# Allegro board PSOC_6A512K_CAPSENSE_VALIDATION_BOARD_Rev_2.brd (continued)
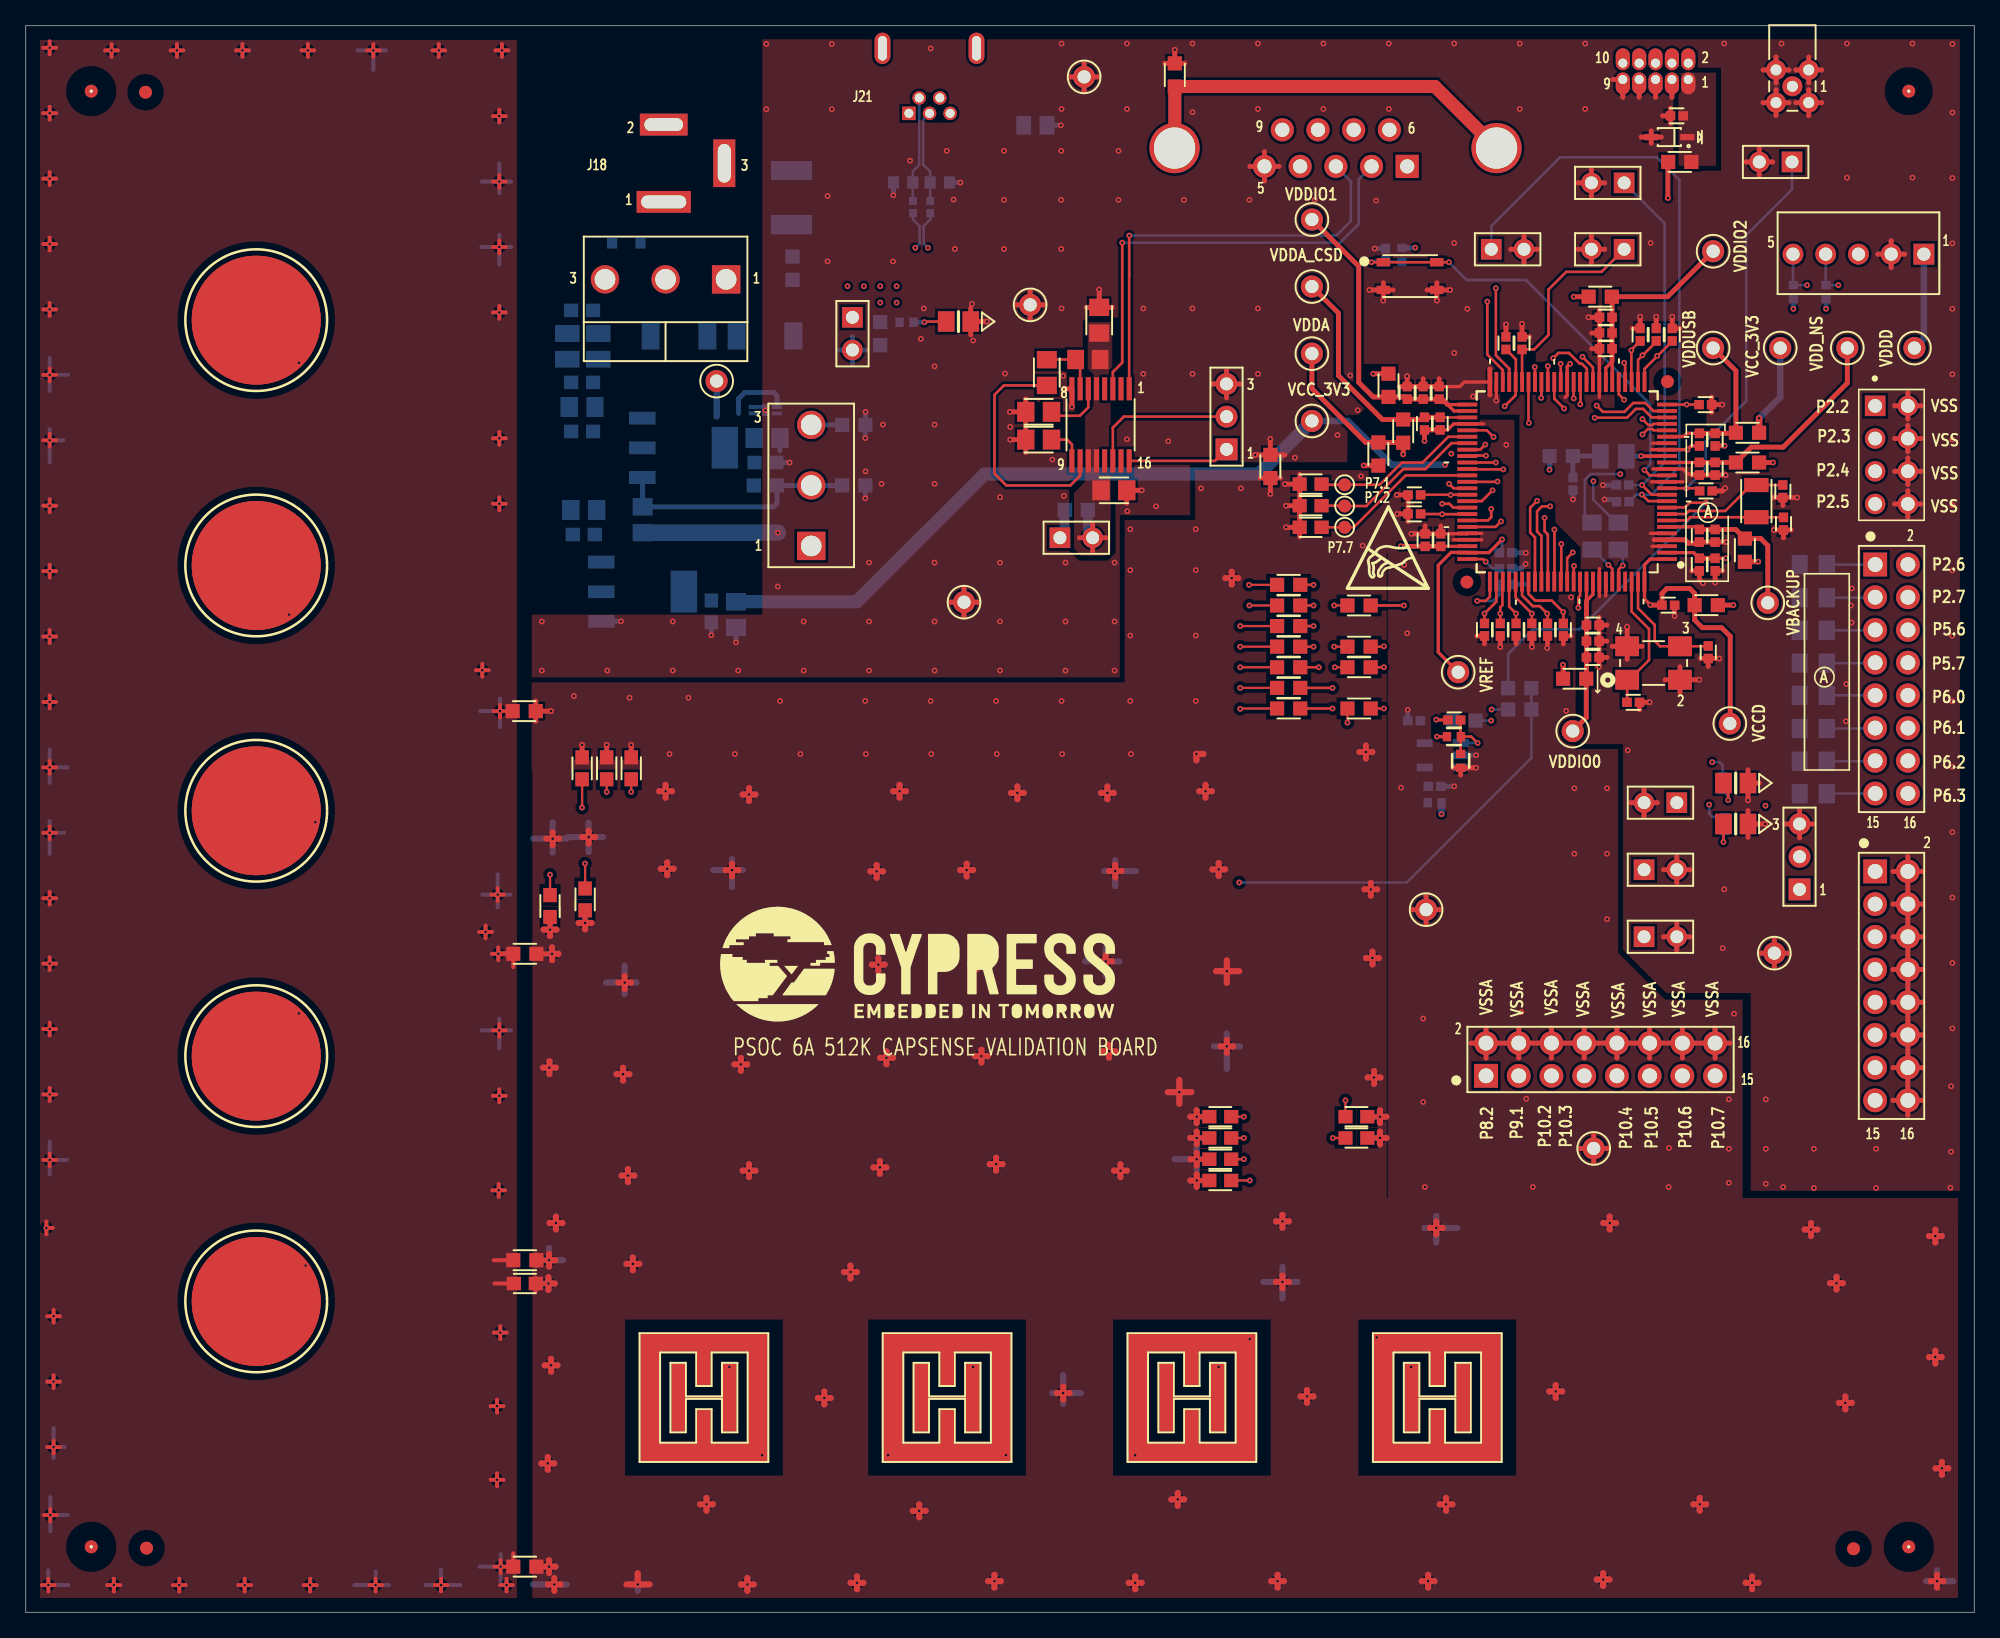
[diagram p0: board, top side]
## Footprints (pads in the part's own frame, mm; a bottom-side part is the same pattern mirrored in y, then rotated) (continued)
  round 1.8 hole 1.1: 2(-2.77,0) 3(-5.54,0) 4(-8.31,0) 5(-11.08,0) 6(-1.385,-2.84) 7(-4.155,-2.84) 8(-6.925,-2.84) 9(-9.695,-2.84)
  round 3.9 hole 3.2: SH1(6.93,-1.42) SH2(-18.06,-1.42)
TE_1734510
  rect 1.049x1.049 hole 0.7: 1(-1.6,4)
  round 1.049 hole 0.7: 2(-0.8,2.8) 3(0,4) 4(0.8,2.8) 5(1.6,4)
  oval 1.23x2.43 hole 0.7x1.9: 6(-3.65,-1.05) 7(3.65,-1.05)
TP102C
  round 1.016 smd: 1(0,0)
TPT_KEY_5000
  round 1.72 hole 1.02: 1(0,0)
TQFP50P1600X1600X160-100N
  round 1 smd: (-7.785,-7.785) (7.785,7.785)
  rect 1.55x0.3 smd: 1(-7.75,6) 2(-7.75,5.5) 3(-7.75,5) 4(-7.75,4.5) 5(-7.75,4) 6(-7.75,3.5) 7(-7.75,3) 8(-7.75,2.5) 9(-7.75,2) 10(-7.75,1.5) 11(-7.75,1) 12(-7.75,0.5) 13(-7.75,0) 14(-7.75,-0.5) 15(-7.75,-1) 16(-7.75,-1.5) 17(-7.75,-2) 18(-7.75,-2.5) 19(-7.75,-3) 20(-7.75,-3.5) 21(-7.75,-4) 22(-7.75,-4.5) 23(-7.75,-5) 24(-7.75,-5.5) 25(-7.75,-6) 51(7.75,-6) 52(7.75,-5.5) 53(7.75,-5) 54(7.75,-4.5) 55(7.75,-4) 56(7.75,-3.5) 57(7.75,-3) 58(7.75,-2.5) 59(7.75,-2) 60(7.75,-1.5) 61(7.75,-1) 62(7.75,-0.5) 63(7.75,0) 64(7.75,0.5) 65(7.75,1) 66(7.75,1.5) 67(7.75,2) 68(7.75,2.5) 69(7.75,3) 70(7.75,3.5) 71(7.75,4) 72(7.75,4.5) 73(7.75,5) 74(7.75,5.5) 75(7.75,6)
  rect 0.3x1.55 smd: 26(-6,-7.75) 27(-5.5,-7.75) 28(-5,-7.75) 29(-4.5,-7.75) 30(-4,-7.75) 31(-3.5,-7.75) 32(-3,-7.75) 33(-2.5,-7.75) 34(-2,-7.75) 35(-1.5,-7.75) 36(-1,-7.75) 37(-0.5,-7.75) 38(0,-7.75) 39(0.5,-7.75) 40(1,-7.75) 41(1.5,-7.75) 42(2,-7.75) 43(2.5,-7.75) 44(3,-7.75) 45(3.5,-7.75) 46(4,-7.75) 47(4.5,-7.75) 48(5,-7.75) 49(5.5,-7.75) 50(6,-7.75) 76(6,7.75) 77(5.5,7.75) 78(5,7.75) 79(4.5,7.75) 80(4,7.75) 81(3.5,7.75) 82(3,7.75) 83(2.5,7.75) 84(2,7.75) 85(1.5,7.75) 86(1,7.75) 87(0.5,7.75) 88(0,7.75) 89(-0.5,7.75) 90(-1,7.75) 91(-1.5,7.75) 92(-2,7.75) 93(-2.5,7.75) 94(-3,7.75) 95(-3.5,7.75) 96(-4,7.75) 97(-4.5,7.75) 98(-5,7.75) 99(-5.5,7.75) 100(-6,7.75)
TSOT95P280X100-5M_LT
  rect 1.25x0.6 smd: 1(-1.4,0.95) 2(-1.4,0) 3(-1.4,-0.95) 4(1.4,-0.95) 5(1.4,0.95)
unnamed#2
  round 1 smd: (0,0)
unnamed#3
  custom 1x0.25 hole 3.2 unplated: (0,0)
VAR0603
  rect 0.87x0.97 smd: 1(-0.75,0) 2(0.75,0)
XTAL320X150X90N_ECS
  rect 1.1x1.9 smd: 1(-1.25,0) 2(1.25,0)

## Nets
GND_EARTH: C41.2 J18.2(SHIELD) J18.3(SWITCH) L3.1 TVS2.1
GND_SHIELD: J21.5(GND) J21.6(M1) J21.7(M2) L5.1
VCC_3V3: C60.1 C61.1 R59.2 R67.1 TP7.1 TP8.1 U5.2(VOUT) U5.4(TAB)
VCC_IN: C42.1 D4.2(ANODE) L2.2
VCC_OUT: C43.1 C44.1 C50.1 C52.1 D4.1(CATHODE) D5.1(CATHODE) U4.3(VIN) U5.3(VIN)
VCC_VAR: C45.1 C46.1 R46.2 TP3.1 U3.1(IN) U3.3(EN) U4.2(VOUT) U4.4(TAB)
VCCD: C98.1 R3.2 R68.2 TP19.1 U8.1(VCCD#1) U8.100(VCCD#100)
VDD_NS: C95.1 C96.1 R5.1 TP11.1 U8.16(VDD_NS)
VDDA: C19.1 C20.1 R69.2 R71.1 TP9.1 U8.73(VDDA)
VDDA_CSD: C8.1 C9.1 R69.1 TP13.1 U8.53(VDDA_CSD)
VDDD: C11.1 C12.1 J5.1 J7.1 J10.1 J11.1 R2.2 R3.1 R4.1 R5.2 R31.1 R32.2 R33.2 R34.1 R36.2 R48.2 R70.1 R71.2 R72.1 R73.1 TP2.1 U8.2(VDDD)
VDDIO0: C13.1 C14.1 C100.1 R70.2 TP6.1 U8.91(VDDIO_0#91) U8.92(VDDIO_0#92)
VDDIO1: C15.1 C16.1 C101.1 R72.2 TP1.1 U8.51(VDDIO_1#51) U8.52(VDDIO_1#52)
VDDIO2: C17.1 C18.1 C102.1 R73.2 TP5.1 U8.31(VDDIO_2#31) U8.32(VDDIO_2#32)
VDDUSB: C103.1 C104.1 R67.2 TP14.1 U8.20(VDDUSB)
VSS: C1.2 C2.2 C4.2 C5.2 C6.2 C11.2 C12.2 C13.2 C14.2 C15.2 C16.2 C17.2 C18.2 C40.2 C42.2 C43.2 C44.2 C45.2 C46.2 C48.2 C49.2 C50.2 C51.2 C52.2 C54.2 C55.2 C60.2 C61.2 C93.2 C95.2 C96.2 C98.2 C99.2 C100.2 C101.2 C102.2 C103.2 C104.2 C105.2 C106.2 C108.1 C109.1 C110.1 C111.1 C112.1 C113.1 C114.1 C122.1 C123.1 C124.1 C125.1 J1.2 J1.3 J1.4 J1.5 J2.2 J3.2 J4.2 J5.2 J6.2 J8.3 J11.3 J12.2 J13.2 J14.2 J15.2 J15.4 J15.6 J15.8 J15.10 J15.12 J15.14 J15.16 J16.5 J17.3 J17.5 J17.7 J17.9 J24.2 J24.4 J24.6 J24.8 L3.2 L5.2 LED1.K(CATHODE) LED2.K(CATHODE) LED3.K(CATHODE) R1.1 R39.1 R45.1 R63.1 RV1.2 RV2.2 SW1.3 SW1.4 TP12.1 TP18.1 TP25.1 TP26.1 TVS1.A U1.8(GND) U3.2(GND) U3.H(PAD) U5.1(GND) U8.3(VSUB_1) U8.4(VSSQ) U8.5(VSSD#5) U8.13(VSUB_2) U8.15(VSUB_AGR) U8.18(VSS_NS) U8.19(VSSD#19) U8.33(VSSIO_2) U8.38(VSUB_3) U8.49(VSSD#49) U8.50(VSSIO_1) U8.93(VSSIO_0) U8.94(VSUB_4) Y2.2 Y2.4
VSSA: C8.2 C9.2 C19.2 C20.2 C21.2 C22.2 C23.2 C25.2 C26.2 C27.2 C30.2 C31.2 C32.2 C33.2 C34.2 C35.2 C37.2 C39.2 C64.2 C65.2 C87.1 C88.1 C115.1 C116.1 C117.1 C118.1 C119.1 C120.1 C121.2 CAP_SH2.1(SH) J23.2 J23.4 J23.6 J23.8 J23.10 J23.12 J23.14 J23.16 R14.1 R27.1 R28.1 R29.1 R30.1 R63.2 TP22.1 TP28.1 U6.2(GND) U8.54(VSSA_CSD) U8.71(VSSIO_A) U8.72(VSSA)
CSD0: C27.1 CSB1.1 R10.1
CSD1: C26.1 CSB2.1 R12.1
CSD2: C25.1 CSB3.1 R17.1
CSD3: C30.1 CSB4.1 R19.1
CSD4: C121.1 CSB5.1 R79.1
HATCH: C39.1 CAP_SH1.1(SH) R14.2 R28.2 R29.2 R30.2 R55.2 R57.2
I2C_SCL: J5.4 R32.1 R42.1
I2C_SDA: J5.5 R33.1 R41.1
LTCVCC: C2.1 C6.1 J10.2 L1.1 R48.1 U1.5(VCC) U1.11(ON/O\F\F\) U1.12(VL)
P0_0: C49.1 U8.7(P0.0) Y1.2
P0_1: C48.1 U8.8(P0.1) Y1.1
P0_2: R55.1 U8.9(P0.2)
P0_3: C114.2 J6.1 U8.10(P0.3)
P0_4: C113.2 J3.1 U8.11(P0.4)
P0_5: C110.2 J1.1 J2.1 U8.12(P0.5)
P2_0: J8.1 U1.16(R1OUT) U8.23(P2.0)
P2_1: J8.2 U1.14(T1IN) U8.24(P2.1)
P2_2: C122.2 J24.1 U8.25(P2.2)
P2_3: C123.2 J24.3 U8.26(P2.3)
P2_4: C124.2 J24.5 U8.27(P2.4)
P2_5: C125.2 J24.7 U8.28(P2.5)
P2_6: J20.2 U8.29(P2.6)
P2_7: J20.4 U8.30(P2.7)
P3_0: R18.1 U8.34(P3.0)
P3_1: R25.1 U8.35(P3.1)
P5_0: R58.1 U8.36(P5.0)
P5_1: R60.1 U8.37(P5.1)
P5_6: J20.6 U8.39(P5.6)
P5_7: J20.8 U8.40(P5.7)
P6_0: J20.10 U8.41(P6.0)
P6_1: J20.12 U8.42(P6.1)
P6_2: J20.14 U8.43(P6.2)
P6_3: J20.16 U8.44(P6.3)
P6_4: C112.2 J4.1 U8.45(P6.4)
P6_5: C111.2 J14.1 U8.46(P6.5)
P6_6: J17.2 U8.47(P6.6)
P6_7: J17.4 U8.48(P6.7)
P7_0: R10.2 U8.55(P7.0)
P7_1: C21.1 TP15.1 U8.56(P7.1)
P7_2: C22.1 TP16.1 U8.57(P7.2)
P7_3: R21.2 U8.58(P7.3)
P7_4: R12.2 U8.59(P7.4)
P7_5: R57.1 U8.60(P7.5)
P7_6: R79.2 U8.61(P7.6)
P7_7: C23.1 TP17.1 U8.62(P7.7)
P8_0: R9.2 U8.63(P8.0)
P8_1: R6.2 U8.64(P8.1)
P8_2: C87.2 J23.1 U8.65(P8.2)
P8_3: R13.2 U8.66(P8.3)
P9_0: R8.2 U8.67(P9.0)
P9_1: C88.2 J23.3 U8.68(P9.1)
P9_2: R17.2 U8.69(P9.2)
P9_3: R19.2 U8.70(P9.3)
P10_0: C109.2 J13.1 U8.75(P10.0)
P10_1: C108.2 J12.1 U8.76(P10.1)
P10_2: C120.2 J23.5 U8.77(P10.2)
P10_3: C119.2 J23.7 U8.78(P10.3)
P10_4: C118.2 J23.9 U8.79(P10.4)
P10_5: C117.2 J23.11 U8.80(P10.5)
P10_6: C116.2 J23.13 U8.81(P10.6)
P10_7: C115.2 J23.15 U8.82(P10.7)
P11_0: J15.1 U8.83(P11.0)
P11_1: J15.3 U8.84(P11.1)
P11_2: J15.5 U8.85(P11.2)
P11_3: J15.7 U8.86(P11.3)
P11_4: J15.9 U8.87(P11.4)
P11_5: J15.11 U8.88(P11.5)
P11_6: J15.13 U8.89(P11.6)
P11_7: J15.15 U8.90(P11.7)
P12_0: R42.2 U8.95(P12.0)
P12_1: R41.2 U8.96(P12.1)
P12_6: C55.1 U8.98(P12.6) Y2.1
P12_7: C54.1 U8.99(P12.7) Y2.3
RS232_RX: J16.3 U1.1(R1IN)
RS232_TX: J16.2 U1.3(T1OUT)
RX0: C35.1 CSB8.2(RX) R9.1
RX1: C33.1 CSB7.2(RX) R6.1
RX2: C31.1 CSB6.2(RX) R8.1
RX3: C32.1 CSB10.2(RX) R13.1
SINK: J11.2 R38.1 R40.1 R43.1 R47.1 R49.1 R50.1 R51.1 R54.1
TX0: C37.1 CSB6.1(TX) CSB7.1(TX) CSB8.1(TX) R18.2
TX1: C34.1 CSB10.1(TX) R25.2
USB_VBUS: D5.2(ANODE) R78.2
USBDM: R76.2 U8.21(USBDM)
USBDP: R77.2 U8.22(USBDP)
VBACKUP: C105.1 C106.1 R4.2 TP21.1 U8.6(VBACKUP)
VBUCK: C93.1 L4.2 R68.1
VREF: C99.1 TP20.1 U8.74(VREF)
VREF_CSD: C28.1 C64.1 R21.1 R26.2 U6.5(OUT)
VTARG: C1.1 J17.1 R2.1 TVS1.K
XRES_L: C40.1 J17.10 R31.2 SW1.1 SW1.2 U8.14(XRES)
N17482306: C3.1 L1.2 U1.7(SW)
N17482310: C3.2 U1.10(CAP)
N17482347: C4.1 U1.6(VDD)
N17482357: C5.1 U1.9(VEE)
N17482493: J16.SH1 J16.SH2 R1.2
N17512553: C28.2 R26.1 R27.2 U6.1(FB)
N17512601: C65.1 R59.1 U6.4(IN)
N17567146: J18.1(CENTER) SW2.2(COMMON) TVS2.2
N17567165: C41.1 L2.1 SW2.3(NO)
N17568145: C51.1 R45.2 R46.1 SW3.2(COMMON) U4.1(ADJ)
N17568173: R39.2 SW3.3(NO)
N17568632: J7.2 R36.1 U3.4(OUT)
N17570140: J20.1 R38.2
N17570160: J20.3 R40.2
N17570180: J20.5 R43.2
N17570200: J20.7 R47.2
N17570220: J20.9 R49.2
N17570240: J20.11 R50.2
N17570260: J20.13 R51.2
N17579110: LED2.A(ANODE) R58.2
N17579139: LED3.A(ANODE) R60.2
N17584827: LED1.A(ANODE) R34.2
N17667042: L4.1 U8.17(VIND1)
N17689107: J20.15 R54.2
N17706476: J21.2(D-) R76.1 RV1.1
N17706594: F1.1 J21.1(VBUS)
N17706697: J21.3(D+) R77.1 RV2.1
N17709704: F1.2 R78.1

Pads without a net: J5 3; J16 1 4 6 7 8 9; J17 6 8; J21 4; SW2 1; SW3 1; U1 2 4 13 15; U6 3; U8 97

## Via types
v1: diameter 0.45, hole 0.2, TOP to BOTTOM, 569 vias

## Routing (per net, layer and track width the routed paths; a pad name or vN(x,y) marks a point on that pad's centre or on a via; arc(x,y) is an arc through that point)
VCC_3V3: length 140.4
  TOP w0.508: R67.1 v1(134.53,92.72)
  L04_SIG w0.508: v1(110.16,89.1) 109.25,88.19 109.25,71.53 110.59,70.18 110.59,66.45 109.88,65.74 v1(109.88,61.98) ; TP8.1 134.06,100.28 129.59,100.28 128.5,99.19 104.52,99.19 99.82,94.49 TP7.1
  BOTTOM w0.508: v1(109.88,61.98) 109.88,62.86 R59.2 ; v1(110.16,89.1) 106.02,89.1 102.62,92.51 TP7.1 ; TP8.1 136.17,94.36 v1(134.53,92.72)
  BOTTOM w1.016: TP7.1 95.71,88.39 74.42,88.39 64.5,78.47 C61.1
VCC_VAR: length 8
  BOTTOM w0.254: 58.3,94.08 U3.3
  BOTTOM w0.381: 58.3,94.08 58.3,94.46 58.05,94.72 55.8,94.72 55.32,94.23 55.32,93.09
  BOTTOM w0.508: TP3.1 53.62,92.86
VCCD: length 37.4
  TOP w0.254: U8.1 126.08,81.78 125.63,81.34 U8.100 125.63,78.68 v1(126.09,78.23)
  TOP w0.381: v1(126.09,78.23) 126.11,78.21 C98.1 126.99,79.12 127.37,79.5 129.15,79.5 129.53,79.12 R3.2 129.53,77.05 130.12,76.45 131.62,76.45 132.29,75.79 132.29,69.04 TP19.1
  L03_SIG w0.381: v1(126.09,78.23) 126.09,80.16 123.98,82.27 123.11,82.27 118.26,87.12 v1(118.26,88.72)
  BOTTOM w0.381: v1(118.26,88.72) 118.28,88.74 R68.2
VDD_NS: length 19.3
  TOP w0.254: C95.1 129.89,89.28 U8.16
  TOP w0.381: TP11.1 141.38,95.45 136.4,90.47 133.92,90.47 R5.1 132.72,89.29 C96.1 C95.1
VDDA: length 25.7
  TOP w0.254: U8.73 111.87,82.77 C19.1
  TOP w0.381: v1(106.91,89.92) R69.2 106.9,90.83 104.99,90.83 R71.1 104,90.84 99.82,95.02 TP9.1 ; v1(106.73,82.78) 106.74,82.77 C20.1 C19.1
  L04_SIG w0.381: v1(106.91,89.92) 105.69,88.7 105.69,83.82 v1(106.73,82.78)
VDDA_CSD: length 19.3
  TOP w0.178: C9.1 109.79,92.78 U8.53
  TOP w0.381: TP13.1 101.88,100.89 101.88,96.04 105.3,92.62 R69.1 108.38,92.62 C8.1 C9.1
VDDD: length 56.7
  TOP w0.254: C11.1 129.46,82.28 U8.2 ; C12.1 v1(131.95,81.85)
  TOP w0.381: R2.2 127.45,112.6 v1(127.45,109.82) ; R4.1 134.46,81.57 v1(134.47,81.58) ; R5.2 v1(135.61,89.28) ; R71.2 103.85,89.04 v1(103.84,89.05) ; R73.1 v1(120.14,102.16) ; R70.1 119.32,73.57 v1(119.3,73.58) ; C11.1 C12.1 ; R3.1 v1(132.54,78.21) ; R72.1 v1(104.59,96.18)
  L03_SIG w0.381: v1(135.03,62.64) 136.09,61.57 136.09,57.58 137.54,56.13 J11.1
  L05_PWR w0.381: TP2.1 147.68,98.17 ; TP2.1 146.58,97.08 ; TP2.1 145.49,98.17 ; TP2.1 146.58,99.26 ; 146.28,105.46 J5.1 ; J5.1 147.32,106.5 ; J5.1 148.36,105.46 ; J5.1 147.32,104.42 ; 137.67,55.05 J11.1 ; J11.1 138.75,56.13 ; J11.1 137.67,57.21 ; J11.1 136.59,56.13 ; 79.23,83.44 J10.1 ; J10.1 80.26,84.47 ; J10.1 81.3,83.44 ; J10.1 80.26,82.41 ; J7.1 64.16,101.59 ; J7.1 64.16,99.53 ; J7.1 63.13,100.56 ; J7.1 65.19,100.56
  BOTTOM w0.381: R32.2 v1(139.73,101.22) ; R31.1 107.83,105.95 v1(107.85,105.97) ; R33.2 v1(137.19,101.22)
  BOTTOM w0.508: TP2.1 147.32,98.91 J5.1
  BOTTOM w0.762: J10.1 80.63,83.81 R48.2
  vias: v1(63.78,102.97) v1(65.05,102.97) v1(66.32,102.97) v1(66.32,101.7) v1(67.59,102.97) v1(67.59,101.7)
VDDIO0: length 13.7
  TOP w0.254: U8.91 121.13,78.54 121.63,79.04 U8.92
  TOP w0.381: TP6.1 121.12,69.48 R70.2 121.13,72.51 C13.1 C100.1 C14.1 121.13,78.54
VDDIO1: length 25
  TOP w0.254: U8.52 110.85,93.28 110.35,93.78 U8.51
  TOP w0.381: TP1.1 103.45,104.52 103.45,95.5 104.58,94.38 R72.2 107.04,94.38 C15.1 C16.1 C101.1 109.94,94.2 110.35,93.78
VDDIO2: length 17.8
  TOP w0.254: U8.32 122.63,96.63 123.13,97.13 ; 123.13,97.13 U8.31 ; 123.13,97.13 123.12,97.14
  TOP w0.381: TP5.1 127.43,102.16 R73.2 123.12,102.14 C17.1 C18.1 C102.1 123.12,97.14
VDDUSB: length 12.8
  TOP w0.254: U8.20 127.4,91.3 128.69,91.3 128.94,91.55 C104.1
  TOP w0.381: TP14.1 132.73,96.4 R67.2 132.69,91.55 C103.1 C104.1
VSS: length 889.4
  TOP w0.254: C95.2 129.81,88.39 129.01,88.39 128.62,88.78 U8.15 126.3,88.78 ; U8.19 126.27,90.78 ; 122.13,94.35 U8.33 122.13,98.11 C102.2 ; 122.13,78.88 U8.93 122.13,81.04 ; 119.48,94.34 119.63,94.49 U8.38 119.63,96.72 v1(119.86,96.95) ; C101.2 111.31,95.18 111.66,95.53 U8.50 ; 126.18,90.28 U8.18 v1(128.97,90.28) 129.26,90.57 C104.2 ; U8.49 v1(114.13,94.1) ; 128.63,87.78 U8.13 126.16,87.78 ; U8.5 126.1,83.78 ; U8.3 126.22,82.78 ; U8.94 122.63,78.92
  TOP w0.381: 144.92,44.83 J15.12 ; J15.12 147.23,44.83 ; J15.12 146.08,43.67 ; J15.12 146.08,45.99 ; 133.67,60.18 LED3.K ; LED3.K 133.67,62.25 ; LED3.K v1(135,61.21) ; 128.39,71.4 Y2.2 ; Y2.2 128.39,73.42 ; Y2.2 127.23,72.41 ; Y2.2 v1(129.9,72.41) ; J15.6 147.23,52.45 ; J15.6 146.08,53.61 ; J15.6 146.08,51.29 ; J15.6 144.92,52.45 ; 138.38,118.76 J1.2 ; J1.2 137.38,119.77 ; J1.2 139.39,119.77 ; J1.2 138.38,120.77 ; J11.3 138.75,61.21 ; J11.3 136.59,61.21 ; J11.3 137.67,62.29 ; J11.3 137.67,60.13 ; J24.2 146.08,94.71 ; J24.2 147.1,93.68 ; J24.2 145.05,93.68 ; J24.2 146.08,92.66 ; 109.7,95.79 C101.2 C16.2 ; C13.2 v1(122.11,73.43) ; C13.2 C100.2 ; C13.2 122.72,74.14 ; J15.4 146.08,56.15 ; J15.4 147.23,54.99 ; J15.4 146.08,53.83 ; J15.4 144.92,54.99 ; C16.2 108.46,95.79 ; C16.2 C15.2 ; v1(130.18,79.91) 129.89,80.19 C11.2 129.3,80.87 ; 125.25,70.07 C55.2 v1(126.03,70.66) ; SW1.4 v1(110.54,102.68) ; SW1.4 109.52,103.24 ; SW1.4 108.76,102.68 ; SW1.4 109.52,101.86 v1(109.52,101.85) ; 82.14,118.14 TP26.1 ; TP26.1 82.14,120.32 ; TP26.1 81.05,119.23 ; TP26.1 83.24,119.23 ; 121.51,109.97 J3.2 ; J3.2 121.51,112.03 ; J3.2 122.55,111 ; J3.2 120.48,111 ; 77.61,90.05 C5.2 ; C5.2 v1(76.4,91.06) ; C5.2 77.61,92.07 ; v1(127.79,100.61) C123.1 128.38,99.7 ; C18.2 C102.2 ; C18.2 C17.2 ; C18.2 121.53,99.34 ; C102.2 121.53,98.12 ; C102.2 122.14,97.53 ; J24.4 147.1,91.14 ; J24.4 146.08,92.17 ; J24.4 145.05,91.14 ; J24.4 146.08,90.12 ; LED2.K 133.67,65.42 ; LED2.K 134.55,64.39 ; LED2.K v1(133.67,63.06) ; v1(137.49,86.56) 137.39,86.56 137.38,86.56 C48.2 ; v1(131.85,90.58) 131.12,90.58 C103.2 ; 96.14,111.15 J16.5 ; J16.5 96.14,113.41 ; J16.5 97.27,112.28 ; J16.5 95.01,112.28 ; J1.5 136.85,119.77 ; J1.5 135.84,118.76 ; J1.5 135.84,120.77 ; J1.5 134.84,119.77 ; C100.2 122.72,75.41 ; C100.2 C14.2 ; J12.2 126.63,62.87 ; J12.2 125.6,63.9 ; J12.2 125.6,61.83 ; J12.2 124.57,62.87 ; J15.2 147.23,57.53 ; J15.2 146.08,58.69 ; J15.2 146.08,56.37 ; J15.2 144.92,57.53 ; 146.08,85.04 J24.8 ; J24.8 146.08,87.09 ; J24.8 145.05,86.06 ; J24.8 147.1,86.06 ; C2.2 v1(83.31,102.72) ; C2.2 84.32,101.33 ; C2.2 82.31,101.33 ; 80.76,95.01 U1.8 v1(81.2,93.61) ; LED1.K v1(74.6,100.23) ; LED1.K 73.34,101.26 ; LED1.K 73.34,99.2 ; C17.2 121.29,100.56 v1(121.28,100.56) ; C17.2 122.14,101.15 ; 146.08,48.75 J15.8 ; J15.8 144.92,49.91 ; J15.8 146.08,51.07 ; J15.8 147.23,49.91 ; 130.58,73.45 C54.2 ; C54.2 129.99,74.06 ; C54.2 v1(131.44,74.06) ; C98.2 v1(127.97,77.36) ; C111.1 v1(114.88,100) ; 138.38,116.22 J1.3 ; J1.3 137.38,117.23 ; J1.3 139.39,117.23 ; J1.3 138.38,118.23 ; J13.2 128.14,58.69 ; J13.2 127.11,57.66 ; J13.2 129.17,57.66 ; J13.2 128.14,56.63 ; 146.08,38.59 J15.16 ; J15.16 146.08,40.91 ; J15.16 144.92,39.75 ; J15.16 147.23,39.75 ; J15.14 146.08,43.45 ; J15.14 147.23,42.29 ; J15.14 144.92,42.29 ; J15.14 146.08,41.13 ; J2.2 135.58,112.62 ; J2.2 134.54,113.66 ; J2.2 133.51,112.62 ; J2.2 134.54,111.59 ; 136.42,83.43 C49.2 ; C49.2 137.02,84.04 ; C49.2 v1(135.67,84.04) ; C1.2 127.65,116.8 ; C1.2 127.65,115.61 ; C1.2 127.05,116.2 ; J24.6 147.1,88.6 ; J24.6 146.08,87.58 ; J24.6 146.08,89.63 ; J24.6 145.05,88.6 ; J14.2 128.14,53.48 ; J14.2 129.17,52.45 ; J14.2 127.11,52.45 ; J14.2 128.14,51.42 ; R63.1 v1(95.42,89.88) ; R63.1 97.73,89.88 ; R63.1 v1(96.6,91.11) ; 121.51,104.81 J4.2 ; J4.2 120.48,105.84 ; J4.2 121.51,106.87 ; J4.2 122.55,105.84 ; 127.76,117.64 J17.3 ; C4.2 v1(76.38,93.22) ; C4.2 77.61,94.22 ; C4.2 77.61,92.21 ; C14.2 122.72,76.66 ; C14.2 122.11,77.25 ; C48.2 135.68,86.56 ; C48.2 136.37,85.95 ; 125.22,117.64 J17.7 ; C124.1 v1(126.54,100.61) ; 146.08,46.21 146.08,47.37 ; 146.08,47.37 147.23,47.37 ; 146.08,47.37 146.08,48.53 ; 146.08,47.37 144.92,47.37 ; 130.85,93.18 C122.1 ; C122.1 v1(131.67,93.78) ; C122.1 130.85,94.37 ; v1(125.3,100.61) C125.1 124.71,99.7 ; 106.62,95.18 C15.2 ; C15.2 v1(107.21,95.99) ; 85.45,86.12 C6.2 v1(86.61,87.12) ; 123.95,117.64 J17.9 123.17,119.02 ; SW1.3 106.12,102.68 ; SW1.3 105.37,101.86 v1(105.36,101.85) ; SW1.3 105.37,103.24 ; SW1.3 v1(104.28,102.68) ; 115.25,105.84 J6.2 ; J6.2 117.31,105.84 ; J6.2 116.28,106.87 ; J6.2 116.28,104.81 ; 126.38,83.28 U8.4 128.78,83.28 129.05,83.01 129.81,83.01 C105.2 C106.2 v1(132,83.1) ; 124.29,74 Y2.4 ; Y2.4 124.29,76.52 v1(124.28,76.53) ; Y2.4 125.45,75.01 ; Y2.4 123.13,75.01 ; 93.2,94.3 J8.3 ; J8.3 94.28,95.38 ; J8.3 92.12,95.38 ; J8.3 93.2,96.47 ; 126.49,117.64 J17.5 ; R1.1 v1(89.18,121.34) ; R1.1 88.4,120.28 ; R1.1 89.96,120.28 ; 131.71,80.87 C12.2 v1(131.11,79.96) ; 76.86,101.52 TP12.1 ; TP12.1 77.95,100.43 ; TP12.1 79.04,101.52 ; TP12.1 77.95,102.62 ; v1(131.93,88.31) C96.2 C95.2 129.3,88.31 ; 134.62,51.18 TP25.1 ; TP25.1 135.71,52.27 ; TP25.1 135.71,50.09 ; TP25.1 136.8,51.18 ; J5.2 144.78,106.5 ; J5.2 143.74,105.46 ; J5.2 144.78,104.42 ; J5.2 145.82,105.46 ; 113.63,94.53 U8.50 113.63,96.54 ; 71.73,78.44 TP18.1 ; TP18.1 72.82,77.34 ; TP18.1 72.82,79.53 ; TP18.1 73.91,78.44 ; 134.84,117.23 J1.4 ; J1.4 135.84,118.23 ; J1.4 136.85,117.23 ; J1.4 135.84,116.22 ; v1(116.13,100.05) C112.1 116.72,99.04 ; TVS1.A 126.94,114.55 ; TVS1.A 126.16,115.04 ; TVS1.A 125.38,114.55 ; TVS1.A 126.16,114.07 ; C110.1 131.67,87.07 v1(131.9,87.3)
  L02_GND w0.381: 146.08,47.37 147.23,47.37 ; 146.08,47.37 146.08,46.21 ; 146.08,47.37 144.92,47.37 ; 146.08,47.37 146.08,48.53 ; 135.71,50.09 TP25.1 ; TP25.1 135.71,52.27 ; TP25.1 136.8,51.18 ; TP25.1 134.62,51.18 ; 123.17,119.02 J17.9 123.95,117.64 ; J15.8 147.23,49.91 ; J15.8 146.08,48.75 ; J15.8 144.92,49.91 ; J15.8 146.08,51.07 ; J15.12 147.23,44.83 ; J15.12 144.92,44.83 ; J15.12 146.08,43.67 ; J15.12 146.08,45.99 ; J24.6 146.08,89.63 ; J24.6 146.08,87.58 ; J24.6 147.1,88.6 ; J24.6 145.05,88.6 ; 121.51,104.81 J4.2 ; J4.2 120.48,105.84 ; J4.2 121.51,106.87 ; J4.2 122.55,105.84 ; 146.08,85.04 J24.8 ; J24.8 147.1,86.06 ; J24.8 146.08,87.09 ; J24.8 145.05,86.06 ; J6.2 116.28,106.87 ; J6.2 115.25,105.84 ; J6.2 116.28,104.81 ; J6.2 117.31,105.84 ; J15.4 147.23,54.99 ; J15.4 146.08,56.15 ; J15.4 146.08,53.83 ; J15.4 144.92,54.99 ; 92.12,95.38 J8.3 ; J8.3 94.28,95.38 ; J8.3 93.2,96.47 ; J8.3 93.2,94.3 ; 128.14,51.42 J14.2 ; J14.2 128.14,53.48 ; J14.2 129.17,52.45 ; J14.2 127.11,52.45 ; J15.16 147.23,39.75 ; J15.16 146.08,38.59 ; J15.16 144.92,39.75 ; J15.16 146.08,40.91 ; J12.2 125.6,63.9 ; J12.2 124.57,62.87 ; J12.2 126.63,62.87 ; J12.2 125.6,61.83 ; 137.38,117.23 J1.3 ; J1.3 139.39,117.23 ; J1.3 138.38,116.22 ; J1.3 138.38,118.23 ; 77.95,100.43 TP12.1 ; TP12.1 76.86,101.52 ; TP12.1 79.04,101.52 ; TP12.1 77.95,102.62 ; J16.5 97.27,112.28 ; J16.5 96.14,111.15 ; J16.5 96.14,113.41 ; J16.5 95.01,112.28 ; J15.2 147.23,57.53 ; J15.2 146.08,58.69 ; J15.2 146.08,56.37 ; J15.2 144.92,57.53 ; 127.11,57.66 J13.2 ; J13.2 128.14,58.69 ; J13.2 129.17,57.66 ; J13.2 128.14,56.63 ; TP18.1 73.91,78.44 ; TP18.1 72.82,79.53 ; TP18.1 72.82,77.34 ; TP18.1 71.73,78.44 ; J15.6 146.08,53.61 ; J15.6 147.23,52.45 ; J15.6 146.08,51.29 ; J15.6 144.92,52.45 ; TP26.1 83.24,119.23 ; TP26.1 82.14,118.14 ; TP26.1 82.14,120.32 ; TP26.1 81.05,119.23 ; J24.4 147.1,91.14 ; J24.4 146.08,90.12 ; J24.4 145.05,91.14 ; J24.4 146.08,92.17 ; J3.2 121.51,112.03 ; J3.2 120.48,111 ; J3.2 122.55,111 ; J3.2 121.51,109.97 ; J1.5 135.84,120.77 ; J1.5 134.84,119.77 ; J1.5 136.85,119.77 ; J1.5 135.84,118.76 ; 137.38,119.77 J1.2 ; J1.2 138.38,118.76 ; J1.2 138.38,120.77 ; J1.2 139.39,119.77 ; J2.2 135.58,112.62 ; J2.2 134.54,113.66 ; J2.2 134.54,111.59 ; J2.2 133.51,112.62 ; J1.4 135.84,118.23 ; J1.4 134.84,117.23 ; J1.4 135.84,116.22 ; J1.4 136.85,117.23 ; J11.3 138.75,61.21 ; J11.3 137.67,60.13 ; J11.3 137.67,62.29 ; J11.3 136.59,61.21 ; 126.49,117.64 J17.5 ; 125.22,117.64 J17.7 ; J24.2 147.1,93.68 ; J24.2 146.08,92.66 ; J24.2 146.08,94.71 ; J24.2 145.05,93.68 ; 143.74,105.46 J5.2 ; J5.2 144.78,104.42 ; J5.2 144.78,106.5 ; J5.2 145.82,105.46 ; 144.92,42.29 J15.14 ; J15.14 147.23,42.29 ; J15.14 146.08,43.45 ; J15.14 146.08,41.13 ; 127.76,117.64 J17.3
  L03_SIG w0.381: J1.5 135.84,120.77 ; J1.5 134.84,119.77 ; J1.5 135.84,118.76 ; J1.5 136.85,119.77 ; J5.2 145.82,105.46 ; J5.2 143.74,105.46 ; J5.2 144.78,106.5 ; J5.2 144.78,104.42 ; 146.08,46.21 146.08,47.37 ; 146.08,47.37 147.23,47.37 ; 146.08,47.37 144.92,47.37 ; 146.08,47.37 146.08,48.53 ; J14.2 128.14,53.48 ; J14.2 127.11,52.45 ; J14.2 129.17,52.45 ; J14.2 128.14,51.42 ; TP26.1 82.14,120.32 ; TP26.1 83.24,119.23 ; TP26.1 82.14,118.14 ; TP26.1 81.05,119.23 ; 124.57,62.87 J12.2 ; J12.2 125.6,63.9 ; J12.2 125.6,61.83 ; J12.2 126.63,62.87 ; 146.08,85.04 J24.8 ; J24.8 147.1,86.06 ; J24.8 146.08,87.09 ; J24.8 145.05,86.06 ; 146.08,53.83 J15.4 ; J15.4 147.23,54.99 ; J15.4 144.92,54.99 ; J15.4 146.08,56.15 ; 138.38,116.22 J1.3 ; J1.3 138.38,118.23 ; J1.3 139.39,117.23 ; J8.3 93.2,96.47 ; J8.3 93.2,94.3 ; J8.3 94.28,95.38 ; J8.3 92.12,95.38 ; TP12.1 79.04,101.52 ; TP12.1 77.95,102.62 ; TP12.1 77.95,100.43 ; TP12.1 76.86,101.52 ; J15.14 146.08,43.45 ; J15.14 146.08,41.13 ; J15.14 147.23,42.29 ; J15.14 144.92,42.29 ; J15.12 146.08,45.99 ; J15.12 146.08,43.67 ; J15.12 147.23,44.83 ; J15.12 144.92,44.83 ; 145.05,91.14 J24.4 ; J24.4 146.08,90.12 ; J24.4 147.1,91.14 ; J24.4 146.08,92.17 ; TP18.1 72.82,79.53 ; TP18.1 73.91,78.44 ; TP18.1 71.73,78.44 ; TP18.1 72.82,77.34 ; 146.08,92.66 J24.2 ; J24.2 147.1,93.68 ; J24.2 146.08,94.71 ; J24.2 145.05,93.68 ; 123.17,119.02 J17.9 123.95,117.64 ; 138.38,118.76 J1.2 ; J1.2 138.38,120.77 ; J1.2 139.39,119.77 ; J1.2 137.38,119.77 ; 120.48,105.84 J4.2 ; J4.2 121.51,104.81 ; J4.2 122.55,105.84 ; J4.2 121.51,106.87 ; J2.2 134.54,113.66 ; J2.2 134.54,111.59 ; J2.2 135.58,112.62 ; J2.2 133.51,112.62 ; J15.16 147.23,39.75 ; J15.16 146.08,38.59 ; J15.16 146.08,40.91 ; J15.16 144.92,39.75 ; 144.92,52.45 J15.6 ; J15.6 146.08,51.29 ; J15.6 146.08,53.61 ; J15.6 147.23,52.45 ; J15.2 146.08,58.69 ; J15.2 144.92,57.53 ; J15.2 147.23,57.53 ; J15.2 146.08,56.37 ; 115.25,105.84 J6.2 ; J6.2 116.28,106.87 ; J6.2 116.28,104.81 ; J6.2 117.31,105.84 ; 146.08,48.75 J15.8 ; J15.8 147.23,49.91 ; J15.8 146.08,51.07 ; J15.8 144.92,49.91 ; J11.3 138.75,61.21 ; J11.3 137.67,60.13 ; J11.3 137.67,62.29 ; 145.05,88.6 J24.6 ; J24.6 146.08,87.58 ; J24.6 147.1,88.6 ; J24.6 146.08,89.63 ; 96.14,111.15 J16.5 ; J16.5 95.01,112.28 ; J16.5 96.14,113.41 ; J16.5 97.27,112.28 ; 134.84,117.23 J1.4 ; J1.4 135.84,118.23 ; J1.4 135.84,116.22 ; 128.14,56.63 J13.2 ; J13.2 127.11,57.66 ; J13.2 128.14,58.69 ; J13.2 129.17,57.66 ; 126.49,117.64 J17.5 ; TP25.1 135.71,52.27 ; TP25.1 135.71,50.09 ; TP25.1 134.62,51.18 ; TP25.1 136.8,51.18 ; 127.76,117.64 J17.3 ; J3.2 122.55,111 ; J3.2 121.51,112.03 ; J3.2 120.48,111 ; J3.2 121.51,109.97 ; 125.22,117.64 J17.7
  L04_SIG w0.381: J11.3 138.75,61.21 ; J11.3 137.67,62.29 ; J11.3 137.67,60.13 ; J11.3 136.59,61.21 ; J1.4 136.85,117.23 ; J1.4 135.84,116.22 ; J1.4 134.84,117.23 ; J1.4 135.84,118.23 ; J15.14 146.08,43.45 ; J15.14 144.92,42.29 ; J15.14 146.08,41.13 ; J15.14 147.23,42.29 ; 133.51,112.62 J2.2 ; J2.2 135.58,112.62 ; J2.2 134.54,111.59 ; J2.2 134.54,113.66 ; J14.2 128.14,53.48 ; J14.2 129.17,52.45 ; J14.2 127.11,52.45 ; J14.2 128.14,51.42 ; J15.4 147.23,54.99 ; J15.4 146.08,56.15 ; J15.4 144.92,54.99 ; J15.4 146.08,53.83 ; 135.84,118.76 J1.5 ; J1.5 134.84,119.77 ; J1.5 135.84,120.77 ; J1.5 136.85,119.77 ; J8.3 94.28,95.38 ; J8.3 93.2,96.47 ; J8.3 92.12,95.38 ; J8.3 93.2,94.3 ; TP18.1 72.82,79.53 ; TP18.1 73.91,78.44 ; TP18.1 72.82,77.34 ; TP18.1 71.73,78.44 ; J15.2 147.23,57.53 ; J15.2 146.08,58.69 ; J15.2 146.08,56.37 ; J15.2 144.92,57.53 ; 128.14,56.63 J13.2 ; J13.2 128.14,58.69 ; J13.2 127.11,57.66 ; 146.08,43.67 J15.12 ; J15.12 146.08,45.99 ; J15.12 144.92,44.83 ; J15.12 147.23,44.83 ; 145.05,91.14 J24.4 ; J24.4 146.08,92.17 ; J24.4 147.1,91.14 ; J24.4 146.08,90.12 ; J6.2 116.28,106.87 ; J6.2 115.25,105.84 ; J6.2 117.31,105.84 ; J6.2 116.28,104.81 ; 144.92,39.75 J15.16 ; J15.16 147.23,39.75 ; J15.16 146.08,40.91 ; J15.16 146.08,38.59 ; J5.2 144.78,106.5 ; J5.2 143.74,105.46 ; J5.2 145.82,105.46 ; J5.2 144.78,104.42 ; 95.01,112.28 J16.5 ; J16.5 96.14,111.15 ; J16.5 97.27,112.28 ; J16.5 96.14,113.41 ; 121.51,104.81 J4.2 ; J4.2 121.51,106.87 ; J4.2 122.55,105.84 ; J4.2 120.48,105.84 ; 144.92,49.91 J15.8 ; J15.8 146.08,51.07 ; J15.8 146.08,48.75 ; J15.8 147.23,49.91 ; J12.2 125.6,63.9 ; J12.2 125.6,61.83 ; J12.2 124.57,62.87 ; J12.2 126.63,62.87 ; 82.14,118.14 TP26.1 ; TP26.1 81.05,119.23 ; TP26.1 82.14,120.32 ; TP26.1 83.24,119.23 ; 146.08,47.37 147.23,47.37 ; 146.08,47.37 144.92,47.37 ; 146.08,47.37 146.08,48.53 ; 146.08,47.37 146.08,46.21 ; 76.86,101.52 TP12.1 ; TP12.1 77.95,100.43 ; TP12.1 77.95,102.62 ; TP12.1 79.04,101.52 ; 137.38,117.23 J1.3 ; J1.3 138.38,116.22 ; J1.3 138.38,118.23 ; J1.3 139.39,117.23 ; J24.6 146.08,89.63 ; J24.6 145.05,88.6 ; J24.6 146.08,87.58 ; J24.6 147.1,88.6 ; J24.2 146.08,94.71 ; J24.2 147.1,93.68 ; J24.2 146.08,92.66 ; J24.2 145.05,93.68 ; 144.92,52.45 J15.6 ; J15.6 146.08,51.29 ; J15.6 146.08,53.61 ; J15.6 147.23,52.45 ; J1.2 138.38,120.77 ; J1.2 139.39,119.77 ; J1.2 138.38,118.76 ; J1.2 137.38,119.77 ; 127.76,117.64 J17.3 ; 145.05,86.06 J24.8 ; J24.8 146.08,87.09 ; J24.8 147.1,86.06 ; J24.8 146.08,85.04 ; 120.48,111 J3.2 ; J3.2 122.55,111 ; J3.2 121.51,112.03 ; J3.2 121.51,109.97 ; 125.22,117.64 J17.7 ; 123.95,117.64 J17.9 123.17,119.02 ; 126.49,117.64 J17.5 ; 135.71,50.09 TP25.1 ; TP25.1 135.71,52.27 ; TP25.1 136.8,51.18
  L05_PWR w0.381: 71.73,78.44 TP18.1 ; TP18.1 72.82,77.34 ; TP18.1 72.82,79.53 ; TP18.1 73.91,78.44 ; 82.14,118.14 TP26.1 ; TP26.1 81.05,119.23 ; TP26.1 82.14,120.32 ; TP26.1 83.24,119.23 ; 123.17,119.02 J17.9 123.95,117.64 ; J1.2 139.39,119.77 ; J1.2 137.38,119.77 ; J1.2 138.38,118.76 ; J1.2 138.38,120.77 ; 133.51,112.62 J2.2 ; J2.2 135.58,112.62 ; J2.2 134.54,113.66 ; J2.2 134.54,111.59 ; 95.01,112.28 J16.5 ; J16.5 96.14,113.41 ; J16.5 97.27,112.28 ; J16.5 96.14,111.15 ; J1.4 135.84,118.23 ; J1.4 136.85,117.23 ; J1.4 134.84,117.23 ; J1.4 135.84,116.22 ; 120.48,111 J3.2 ; J3.2 122.55,111 ; J3.2 121.51,112.03 ; 138.38,116.22 J1.3 ; J1.3 138.38,118.23 ; J1.3 137.38,117.23 ; J1.3 139.39,117.23 ; J1.5 135.84,120.77 ; J1.5 136.85,119.77 ; J1.5 134.84,119.77 ; J1.5 135.84,118.76 ; 125.22,117.64 J17.7 ; 126.49,117.64 J17.5 ; 127.76,117.64 J17.3
  BOTTOM w0.254: v1(57.4,93.34) 57.15,93.59 U3.2
  BOTTOM w0.381: C45.2 58.53,90.19 ; 121.51,109.97 J3.2 ; J3.2 121.51,112.03 ; J3.2 120.48,111 ; J3.2 122.55,111 ; J12.2 125.6,63.9 ; J12.2 126.63,62.87 ; J12.2 125.6,61.83 ; J12.2 124.57,62.87 ; C114.1 123.28,86.41 v1(122.53,86.41) ; TP18.1 73.91,78.44 ; TP18.1 72.82,77.34 ; TP18.1 71.73,78.44 ; TP18.1 72.82,79.53 ; J15.14 147.23,42.29 ; J15.14 146.08,41.13 ; J15.14 144.92,42.29 ; J15.14 146.08,43.45 ; J4.2 121.51,106.87 ; J4.2 120.48,105.84 ; J4.2 122.55,105.84 ; J4.2 121.51,104.81 ; J15.8 147.23,49.91 ; J15.8 146.08,48.75 ; J15.8 146.08,51.07 ; J15.8 144.92,49.91 ; 135.71,50.09 TP25.1 ; TP25.1 136.8,51.18 ; TP25.1 134.62,51.18 ; TP25.1 135.71,52.27 ; J1.2 138.38,120.77 ; J1.2 139.39,119.77 ; J1.2 137.38,119.77 ; J1.2 138.38,118.76 ; 146.08,56.37 J15.2 ; J15.2 146.08,58.69 ; J15.2 147.23,57.53 ; J15.2 144.92,57.53 ; J1.4 135.84,118.23 ; J1.4 136.85,117.23 ; J1.4 134.84,117.23 ; J1.4 135.84,116.22 ; 145.05,91.14 J24.4 ; J24.4 146.08,90.12 ; J24.4 146.08,92.17 ; J24.4 147.1,91.14 ; C46.2 v1(59.28,89.28) ; 146.08,46.21 146.08,47.37 ; 146.08,47.37 146.08,48.53 ; 146.08,47.37 144.92,47.37 ; 146.08,47.37 147.23,47.37 ; 146.08,92.66 J24.2 ; J24.2 146.08,94.71 ; J24.2 145.05,93.68 ; J24.2 147.1,93.68 ; 137.38,117.23 J1.3 ; J1.3 138.38,118.23 ; J1.3 139.39,117.23 ; J1.3 138.38,116.22 ; 134.54,111.59 J2.2 ; J2.2 133.51,112.62 ; J2.2 135.58,112.62 ; J2.2 134.54,113.66 ; 96.14,111.15 J16.5 ; J16.5 95.01,112.28 ; J16.5 97.27,112.28 ; J16.5 96.14,113.41 ; J15.12 147.23,44.83 ; J15.12 144.92,44.83 ; J15.12 146.08,43.67 ; J15.12 146.08,45.99 ; v1(122.4,87.53) C113.1 ; J15.6 147.23,52.45 ; J15.6 144.92,52.45 ; J15.6 146.08,53.61 ; J15.6 146.08,51.29 ; TP12.1 79.04,101.52 ; TP12.1 77.95,102.62 ; TP12.1 77.95,100.43 ; TP12.1 76.86,101.52 ; 146.08,87.58 J24.6 ; J24.6 147.1,88.6 ; J24.6 145.05,88.6 ; J24.6 146.08,89.63 ; U5.1 v1(46.2,76.95) ; C108.1 116.31,79.83 ; 146.08,85.04 J24.8 ; J24.8 147.1,86.06 ; J24.8 145.05,86.06 ; J24.8 146.08,87.09 ; 81.05,119.23 TP26.1 ; TP26.1 82.14,120.32 ; TP26.1 82.14,118.14 ; TP26.1 83.24,119.23 ; C109.1 116.05,81.05 v1(116.41,81.41) ; C60.2 v1(53.21,75.87) ; 116.28,104.81 J6.2 ; J6.2 116.28,106.87 ; J6.2 115.25,105.84 ; J6.2 117.31,105.84 ; 126.49,117.64 J17.5 ; v1(67.34,110.03) 67.35,110.04 RV1.2 ; J8.3 94.28,95.38 ; J8.3 92.12,95.38 ; J8.3 93.2,94.3 ; J8.3 93.2,96.47 ; 128.14,56.63 J13.2 ; J13.2 128.14,58.69 ; J13.2 127.11,57.66 ; J13.2 129.17,57.66 ; 134.84,119.77 J1.5 ; J1.5 135.84,118.76 ; J1.5 136.85,119.77 ; J1.5 135.84,120.77 ; C61.2 v1(55.12,75.31) ; 123.95,117.64 J17.9 123.17,119.02 ; J5.2 144.78,106.5 ; J5.2 144.78,104.42 ; J5.2 143.74,105.46 ; J5.2 145.82,105.46 ; J15.16 146.08,40.91 ; J15.16 147.23,39.75 ; J15.16 146.08,38.59 ; J15.16 144.92,39.75 ; 127.76,117.64 J17.3 ; 146.08,53.83 J15.4 ; J15.4 144.92,54.99 ; J15.4 147.23,54.99 ; J15.4 146.08,56.15 ; J14.2 128.14,53.48 ; J14.2 127.11,52.45 ; J14.2 129.17,52.45 ; J14.2 128.14,51.42 ; L5.2 v1(80.34,115.47) ; RV2.2 v1(72.54,111.02) ; C40.2 v1(104.69,105.9) ; 125.22,117.64 J17.7 ; v1(65.18,93.22) 65.18,92.22 R39.1 v1(65.16,91.18) ; R45.1 v1(65.16,86.5) ; C99.2 v1(116.43,82.27) ; C93.2 v1(120.09,86.41)